# KiCad board antmicro-gmsl-deserializer-hw.kicad_pcb
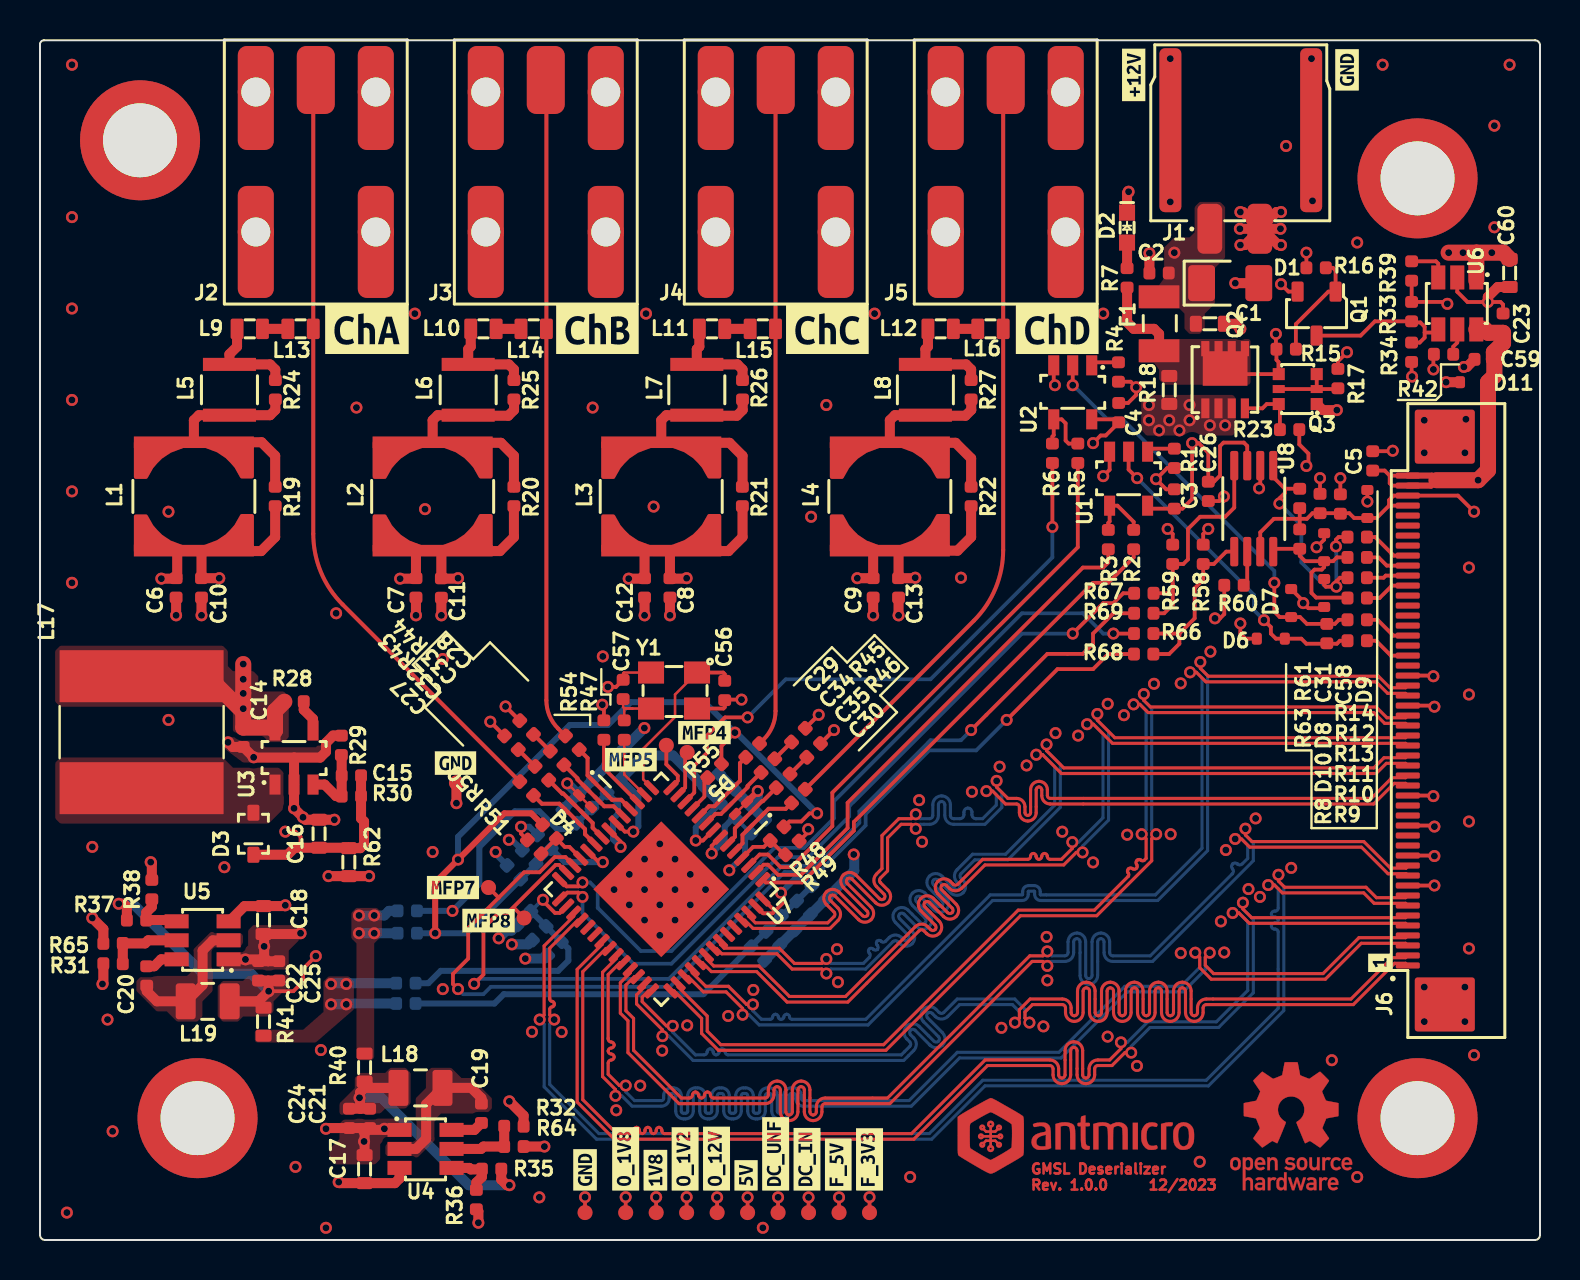
[diagram p0: board, top side]
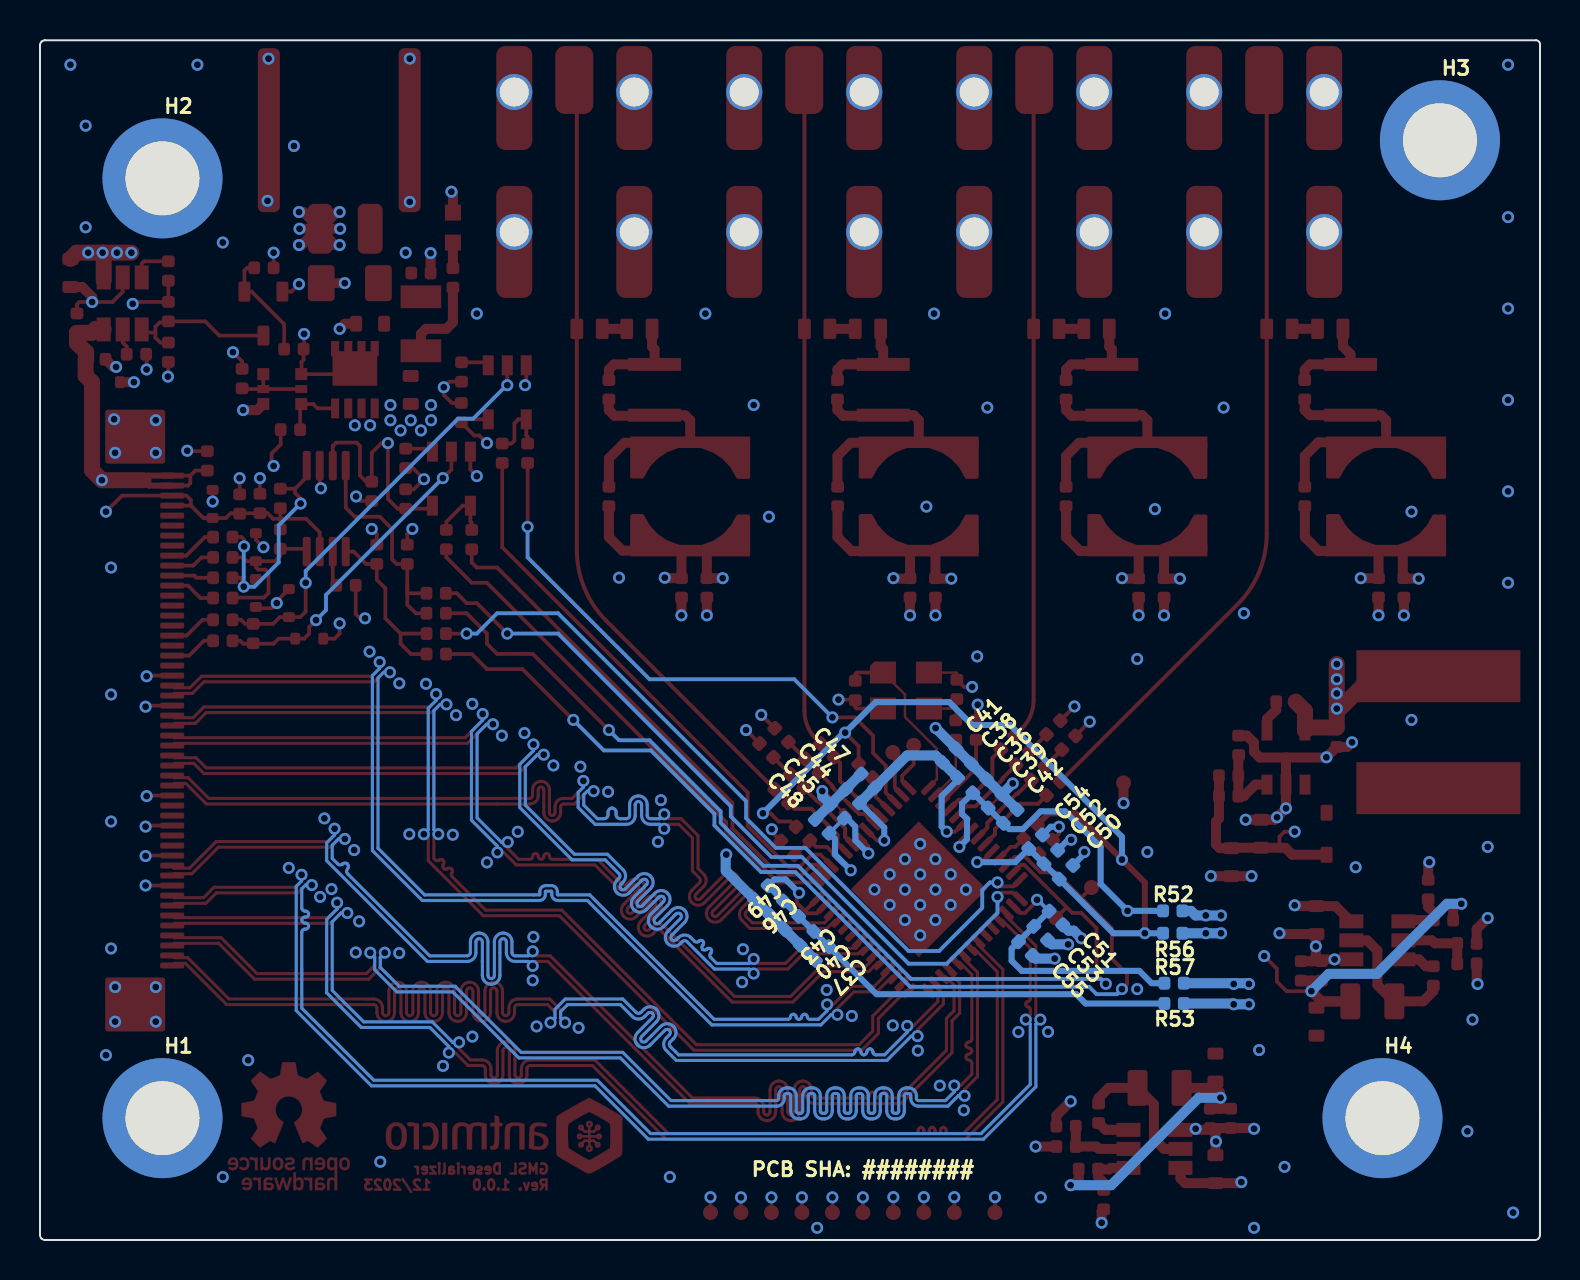
[diagram p1: board, bottom side, seen from below]

Outline 75 x 60 mm; copper layers: Top, In1.Cu (plane), In2.Cu (plane), Bottom. Coordinates in mm from the lower left corner of the outline.
Outline path: 0,59.8 arc(0.06,59.94) 0.2,60 74.75,60 arc(74.93,59.93) 75,59.75 75,0.25 arc(74.93,0.07) 74.75,0 0.25,0 arc(0.08,0.07) 0,0.25 0,59.8
Stack: Top 0.035mm / dielectric 0.474mm FR4 er 4.5 / In1.Cu 0.035mm / dielectric 0.474mm FR4 er 4.5 / In2.Cu 0.035mm / dielectric 0.474mm FR4 er 4.5 / Bottom 0.035mm

## Placement (name value [footprint] x y rotation side)
C1  C_10u_25V_0603  [C_0603_1608Metric]  58.49 45.82 180 top
C2  C_100n_0402  [C_0402_1005Metric]  55.95 48.36 0 top
C3  C_100n_0402  [C_0402_1005Metric]  56.72 37.06 270 top
C4  C_100n_0402  [C_0402_1005Metric]  53.94 41.38 270 top
C5  C_1u_0402  [C_0402_1005Metric]  66.64 38.96 270 top
C6  C_100n_0402  [C_0402_1005Metric]  6.81 32.61 90 top
C7  C_100n_0402  [C_0402_1005Metric]  18.8 32.61 90 top
C8  C_100n_0402  [C_0402_1005Metric]  31.5 32.61 90 top
C9  C_100n_0402  [C_0402_1005Metric]  41.66 32.61 90 top
C10  C_10n_0402  [C_0402_1005Metric]  8.08 32.61 90 top
C11  C_10n_0402  [C_0402_1005Metric]  20.07 32.61 90 top
C12  C_10n_0402  [C_0402_1005Metric]  30.23 32.61 90 top
C13  C_10n_0402  [C_0402_1005Metric]  42.93 32.61 90 top
C14  C_2u2_0402  [C_0402_1005Metric]  10.16 25.14 90 top
C15  C_220p_0402  [C_0402_1005Metric]  15.57 23.22 0 top
C16  C_10u_25V_0603  [C_0603_1608Metric]  13.95 20.32 270 top
C17  C_10u_25V_0603  [C_0603_1608Metric]  16.23 3.54 270 top
C18  C_10u_25V_0603  [C_0603_1608Metric]  11.18 16 90 top
C19  C_100n_0402  [C_0402_1005Metric]  22.07 6.34 90 top
C20  C_100n_0402  [C_0402_1005Metric]  5.34 13.21 270 top
C21  C_22u_0402  [C_0402_1005Metric]  16.48 6.08 90 top
C22  C_22u_0402  [C_0402_1005Metric]  10.92 13.46 270 top
C23  C_100n_0402  [C_0402_1005Metric]  73.15 45.85 270 top
C24  C_22u_0402  [C_0402_1005Metric]  15.47 6.08 90 top
C25  C_22u_0402  [C_0402_1005Metric]  11.94 13.46 270 top
C26  C_100n_0402  [C_0402_1005Metric]  58.41 37.44 90 top
C27  C_100n_0402  [C_0402_1005Metric]  24.33 22.58 135 top
C28  C_100n_0402  [C_0402_1005Metric]  26.62 24.87 135 top
C29  C_100n_0402  [C_0402_1005Metric]  35.63 24.49 45 top
C30  C_100n_0402  [C_0402_1005Metric]  37.92 22.2 45 top
C31  C_100n_0402  [C_0402_1005Metric]  64 36.83 270 top
C32  C_100n_0402  [C_0402_1005Metric]  25.09 23.34 135 top
C33  C_100n_0402  [C_0402_1005Metric]  25.86 24.11 135 top
C34  C_100n_0402  [C_0402_1005Metric]  36.4 23.72 45 top
C35  C_100n_0402  [C_0402_1005Metric]  37.16 22.96 45 top
C36  C_10u_0402  [C_0402_1005Metric]  28.01 22.71 315 bottom
C37  C_10u_0402  [C_0402_1005Metric]  35.89 14.33 135 bottom
C38  C_10u_0402  [C_0402_1005Metric]  28.78 23.47 315 bottom
C39  C_100n_0402  [C_0402_1005Metric]  27.25 21.95 315 bottom
C40  C_100n_0402  [C_0402_1005Metric]  36.65 15.09 135 bottom
C41  C_100n_0402  [C_0402_1005Metric]  29.54 24.23 315 bottom
C42  C_10n_0402  [C_0402_1005Metric]  26.49 21.18 315 bottom
C43  C_10n_0402  [C_0402_1005Metric]  37.41 15.85 135 bottom
C44  C_10u_0402  [C_0402_1005Metric]  34.36 22.2 225 bottom
C45  C_100n_0402  [C_0402_1005Metric]  35.13 21.44 225 bottom
C46  C_100n_0402  [C_0402_1005Metric]  38.17 16.61 135 bottom
C47  C_100n_0402  [C_0402_1005Metric]  33.6 22.96 225 bottom
C48  C_10n_0402  [C_0402_1005Metric]  35.89 20.69 225 bottom
C49  C_10n_0402  [C_0402_1005Metric]  38.94 17.37 135 bottom
C50  C_10n_0402  [C_0402_1005Metric]  23.7 18.39 315 bottom
C51  C_10n_0402  [C_0402_1005Metric]  24.2 16.1 45 bottom
C52  C_100n_0402  [C_0402_1005Metric]  24.46 19.15 315 bottom
C53  C_100n_0402  [C_0402_1005Metric]  24.97 15.35 45 bottom
C54  C_10u_0402  [C_0402_1005Metric]  25.22 19.91 315 bottom
C55  C_10u_0402  [C_0402_1005Metric]  25.73 14.58 45 bottom
C56  C_33p_0402  [C_0402_1005Metric]  34.24 27.48 90 top
C57  C_33p_0402  [C_0402_1005Metric]  29.16 27.53 270 top
C58  C_1u_0402  [C_0402_1005Metric]  65.02 36.81 270 top
C59  C_1u_0402  [C_0402_1005Metric]  72.21 44.04 0 top
C60  C_10u_25V_0603  [C_0603_1608Metric]  73.48 48.36 90 top
D1  SMF4L15A  [SOD-123FL]  59.51 47.85 0 top
D2  LED_G_0603_LTST-C190GKT  [LED_0603_1608Metric_G]  54.35 50.63 90 top
D3  PMEG3010CE_SOD323  [D_SOD-323F]  10.67 20.32 90 top
D4  PESD4USB5U-TTS  [DFN-10_2.5x1mm]  27.25 21.95 315 top
D5  PESD4USB5U-TTS  [DFN-10_2.5x1mm]  35.05 21.61 225 top
D6  ESD5B5_0ST1G  [SOD-523_NP]  61.54 30.07 0 top
D7  ESD5B5_0ST1G  [SOD-523_NP]  62.56 31.85 270 top
D8  ESD5B5_0ST1G  [SOD-523_NP]  64.21 34.65 270 top
D9  ESD5B5_0ST1G  [SOD-523_NP]  66.37 36.81 270 top
D10  ESD5B5_0ST1G  [SOD-523_NP]  64.21 32.36 90 top
D11  ESD5B5_0ST1G  [SOD-523_NP]  71.7 42.9 0 top
F1  F_4A_1206  [F_1206_3216Metric]  55.95 45.82 270 top
H1  -  [Spacer_Drill3.7mm_H6mm_9774060151R]  68.88 6.09 180 bottom
H2  -  [Spacer_Drill3.7mm_H6mm_9774060151R]  68.88 53.09 180 bottom
H3  -  [Spacer_Drill3.7mm_H6mm_9774060151R]  5 55 180 bottom
H4  -  [Spacer_Drill3.7mm_H6mm_9774060151R]  7.88 6.09 180 bottom
J1  Molex_Nano-Fit_1x2_SMD_1054301202  [Conn_Molex_Nano-Fit_1x2_SMD_1054301202]  60.02 55.47 180 top
J2  -  [Conn_FAKRA_59S2AQ-40MT5-Z_1]  13.79 58.01 0 top
J3  -  [Conn_FAKRA_59S2AQ-40MT5-Z_1]  25.29 58.01 0 top
J4  -  [Conn_FAKRA_59S2AQ-40MT5-Z_1]  36.79 58.01 0 top
J5  -  [Conn_FAKRA_59S2AQ-40MT5-Z_1]  48.29 58.01 0 top
J6  Conn_FFC_WE_68715014522  [Conn_FFC_WE_68715014x22]  70.54 25.98 90 top
kibuzzard-657AE3C2  G***  [kibuzzard-657AE3C2]  54.68 58.27 90 top
kibuzzard-657AE5B8  G***  [kibuzzard-657AE5B8]  29.28 4.06 90 top
kibuzzard-657AE5BD  G***  [kibuzzard-657AE5BD]  30.77 3.49 90 top
kibuzzard-657AE5C0  G***  [kibuzzard-657AE5C0]  27.25 3.51 90 top
kibuzzard-657AE5D0  G***  [kibuzzard-657AE5D0]  32.26 4.06 90 top
kibuzzard-657AE5D8  G***  [kibuzzard-657AE5D8]  33.83 4.07 90 top
kibuzzard-657AE5E6  G***  [kibuzzard-657AE5E6]  35.3 3.24 90 top
kibuzzard-657AE5F7  G***  [kibuzzard-657AE5F7]  38.35 4.04 90 top
kibuzzard-657AE5FA  G***  [kibuzzard-657AE5FA]  36.78 4.31 90 top
kibuzzard-657AE5FF  G***  [kibuzzard-657AE5FF]  39.91 3.78 90 top
kibuzzard-657AE63E  G***  [kibuzzard-657AE63E]  22.43 15.98 0 top
kibuzzard-657AE71B  G***  [kibuzzard-657AE71B]  33.22 25.38 0 top
kibuzzard-657AE72C  G***  [kibuzzard-657AE72C]  20.77 23.85 0 top
kibuzzard-657AE78B  G***  [kibuzzard-657AE78B]  27.87 45.56 0 top
kibuzzard-657AE81E  G***  [kibuzzard-657AE81E]  66.98 13.86 90 top
kibuzzard-657AE444  G***  [kibuzzard-657AE444]  65.35 58.52 90 top
kibuzzard-657AE604  G***  [kibuzzard-657AE604]  41.48 4.03 90 top
kibuzzard-657AE668  G***  [kibuzzard-657AE668]  20.65 17.63 0 top
kibuzzard-657AE675  G***  [kibuzzard-657AE675]  29.54 24.02 0 top
kibuzzard-657AE755  G***  [kibuzzard-657AE755]  16.35 45.56 0 top
kibuzzard-657AE782  G***  [kibuzzard-657AE782]  50.86 45.56 0 top
kibuzzard-657AE786  G***  [kibuzzard-657AE786]  39.37 45.56 0 top
L1  L_22u_1.12A_Coilcraft-MSS6132T  [L_Coilcraft-MSS6132T]  7.69 37.19 90 top
L2  L_22u_1.12A_Coilcraft-MSS6132T  [L_Coilcraft-MSS6132T]  19.63 37.19 90 top
L3  L_22u_1.12A_Coilcraft-MSS6132T  [L_Coilcraft-MSS6132T]  31.06 37.19 90 top
L4  L_22u_1.12A_Coilcraft-MSS6132T  [L_Coilcraft-MSS6132T]  42.49 37.19 90 top
L5  L_6u8_1A_Coilcraft-1210POC  [L_Coilcraft-1210POC]  9.47 42.52 90 top
L6  L_6u8_1A_Coilcraft-1210POC  [L_Coilcraft-1210POC]  21.41 42.52 90 top
L7  L_6u8_1A_Coilcraft-1210POC  [L_Coilcraft-1210POC]  32.84 42.52 90 top
L8  L_6u8_1A_Coilcraft-1210POC  [L_Coilcraft-1210POC]  44.27 42.52 90 top
L9  L_470n_1A_Coilcraft-PFL1609  [L_Coilcraft-PFL1609]  10.49 45.57 0 top
L10  L_470n_1A_Coilcraft-PFL1609  [L_Coilcraft-PFL1609]  22.17 45.57 0 top
L11  L_470n_1A_Coilcraft-PFL1609  [L_Coilcraft-PFL1609]  33.6 45.57 0 top
L12  L_470n_1A_Coilcraft-PFL1609  [L_Coilcraft-PFL1609]  45.03 45.57 0 top
L13  L_470n_1A_Coilcraft-PFL1609  [L_Coilcraft-PFL1609]  13.03 45.57 0 top
L14  L_470n_1A_Coilcraft-PFL1609  [L_Coilcraft-PFL1609]  24.68 45.57 0 top
L15  L_470n_1A_Coilcraft-PFL1609  [L_Coilcraft-PFL1609]  36.14 45.57 0 top
L16  L_470n_1A_Coilcraft-PFL1609  [L_Coilcraft-PFL1609]  47.52 45.57 0 top
L17  L_10u_3.1A_Bourns-SRN8040  [L_Bourns-SRN8040]  5.08 25.4 270 top
L18  L_1u_2.6A_0806  [L_0806_2016Metric]  19.02 7.61 180 top
L19  L_1u_2.6A_0806  [L_0806_2016Metric]  8.38 11.94 0 top
N1  oshw_logo  [oshw-logo]  62.56 5.69 0 top
N2  antmicro_logo  [antmicro-logo_scaled_12mm]  51.76 5.18 0 top
Q1  BSS138AKA  [SOT-23-3]  63.83 46.33 270 top
Q2  SQS401EN-T1_BE3  [Vishay_PowerPAK_1212-8_Single]  59.26 43.03 90 top
Q3  BCM857BS-7-F  [SOT-363]  62.89 42.56 180 top
R1  R_10k_0402  [R_0402_1005Metric]  56.72 39.09 90 top
R2  R_0R_0402  [R_0402_1005Metric]  54.68 35.03 90 top
R3  R_0R_0402  [R_0402_1005Metric]  53.41 35.03 90 top
R4  R_10k_0402  [R_0402_1005Metric]  53.92 43.41 90 top
R5  R_0R_0402  [R_0402_1005Metric]  51.89 39.35 90 top
R6  R_0R_0402  [R_0402_1005Metric]  50.62 39.35 90 top
R7  R_470R_0402  [R_0402_1005Metric]  54.35 48.12 270 top
R8  R_200R_0402  [R_0402_1005Metric]  64.34 30.33 270 top
R9  R_100R_0402  [R_0402_1005Metric]  65.86 29.97 0 top
R10  R_100R_0402  [R_0402_1005Metric]  65.86 31.02 0 top
R11  R_100R_0402  [R_0402_1005Metric]  65.86 32.11 0 top
R12  R_100R_0402  [R_0402_1005Metric]  65.86 34.14 0 top
R13  R_100R_0402  [R_0402_1005Metric]  65.86 33.12 0 top
R14  R_100R_0402  [R_0402_1005Metric]  65.86 35.15 0 top
R15  R_100R_0402  [R_0402_1005Metric]  62.31 44.55 180 top
R16  R_10k_0402  [R_0402_1005Metric]  63.8 48.62 0 top
R17  R_10k_0402  [R_0402_1005Metric]  64.89 43.08 270 top
R18  R_0R_22.4A_0603  [R_0603_1608Metric]  56.46 42.51 270 top
R19  R_5k1_0402  [R_0402_1005Metric]  11.76 37.19 90 top
R20  R_5k1_0402  [R_0402_1005Metric]  23.7 37.19 90 top
R21  R_5k1_0402  [R_0402_1005Metric]  35.12 37.19 90 top
R22  R_5k1_0402  [R_0402_1005Metric]  46.56 37.19 90 top
R23  R_10k_0402  [R_0402_1005Metric]  62.48 40.53 180 top
R24  R_5k1_0402  [R_0402_1005Metric]  11.77 42.52 90 top
R25  R_5k1_0402  [R_0402_1005Metric]  23.7 42.52 90 top
R26  R_5k1_0402  [R_0402_1005Metric]  35.13 42.52 90 top
R27  R_5k1_0402  [R_0402_1005Metric]  46.56 42.52 90 top
R28  R_0R_0402  [R_0402_1005Metric]  12.7 26.92 180 top
R29  R_13k7_0402  [R_0402_1005Metric]  15.07 24.74 270 top
R30  R_120k_0402  [R_0402_1005Metric]  15.57 22.2 0 top
R31  R_10k_0402  [R_0402_1005Metric]  3.65 13.82 180 top
R32  R_10k_0402  [R_0402_1005Metric]  23.7 5.69 0 top
R33  R_10k_0402  [R_0402_1005Metric]  68.58 46.43 90 top
R34  R_10k_0402  [R_0402_1005Metric]  68.58 44.4 90 top
R35  R_12k4_0402  [R_0402_1005Metric]  22.58 3.54 0 top
R36  R_10k_0402  [R_0402_1005Metric]  21.82 2.02 90 top
R37  R_4k99_0402  [R_0402_1005Metric]  4.83 16 180 top
R38  R_10k_0402  [R_0402_1005Metric]  5.59 17.52 270 top
R39  R_10k_0402  [R_0402_1005Metric]  68.58 48.46 270 top
R40  R_0R_22.4A_0603  [R_0603_1608Metric]  16.23 8.62 90 top
R41  R_0R_22.4A_0603  [R_0603_1608Metric]  11.18 10.92 270 top
R42  R_6k8_0402  [R_0402_1005Metric]  70.18 44.3 0 top
R43  R_49R9_0402  [R_0402_1005Metric]  23.57 24.87 135 top
R44  R_49R9_0402  [R_0402_1005Metric]  24.33 25.63 135 top
R45  R_49R9_0402  [R_0402_1005Metric]  37.92 25.25 45 top
R46  R_49R9_0402  [R_0402_1005Metric]  38.68 24.49 45 top
R47  R_0R_0402  [R_0402_1005Metric]  29.21 25.5 270 top
R48  R_80k6_0402  [R_0402_1005Metric]  36.85 20.32 45 top
R49  R_10k_0402  [R_0402_1005Metric]  37.62 19.61 225 top
R50  R_80k6_0402  [R_0402_1005Metric]  25.47 20.42 135 top
R51  R_10k_0402  [R_0402_1005Metric]  24.71 19.66 315 top
R52  R_0R_0402  [R_0402_1005Metric]  18.36 16.46 180 bottom
R53  R_0R_0402  [R_0402_1005Metric]  18.3 11.83 180 bottom
R54  R_402R_0402  [R_0402_1005Metric]  28.2 25.5 270 top
R55  R_10k_0402  [R_0402_1005Metric]  33.73 23.47 45 top
R56  R_0R_0402  [R_0402_1005Metric]  18.36 15.34 180 bottom
R57  R_0R_0402  [R_0402_1005Metric]  18.3 12.84 180 bottom
R58  R_2k2_0402  [R_0402_1005Metric]  58.16 34.29 90 top
R59  R_2k2_0402  [R_0402_1005Metric]  56.64 34.29 90 top
R60  R_10k_0402  [R_0402_1005Metric]  59.7 32.74 180 top
R61  R_2k2_0402  [R_0402_1005Metric]  62.99 37.09 270 top
R62  R_0R_22.4A_0603  [R_0603_1608Metric]  15.44 18.9 270 top
R63  R_2k2_0402  [R_0402_1005Metric]  62.99 35.05 90 top
R64  R_10k_0402  [R_0402_1005Metric]  23.7 4.67 180 top
R65  R_10k_0402  [R_0402_1005Metric]  3.65 14.83 0 top
R66  R_100R_0402  [R_0402_1005Metric]  55.19 30.33 0 top
R67  R_100R_0402  [R_0402_1005Metric]  55.19 32.34 0 top
R68  R_100R_0402  [R_0402_1005Metric]  55.18 29.31 0 top
R69  R_100R_0402  [R_0402_1005Metric]  55.19 31.34 0 top
TP1  TP_0.75mm_SMD  [TP_SMD_0.75mm]  32.36 24.38 0 top
TP2  TP_0.75mm_SMD  [TP_SMD_0.75mm]  31.32 24.74 0 top
TP3  TP_0.75mm_SMD  [TP_SMD_0.75mm]  22.43 17.63 0 top
TP4  TP_0.75mm_SMD  [TP_SMD_0.75mm]  24.2 16.1 0 top
TP5  TP_0.75mm_SMD  [TP_SMD_0.75mm]  20.82 22.86 0 top
TP6  TP_0.75mm_SMD  [TP_SMD_0.75mm]  36.9 1.37 0 top
TP7  TP_0.75mm_SMD  [TP_SMD_0.75mm]  39.95 1.37 0 top
TP8  TP_0.75mm_SMD  [TP_SMD_0.75mm]  41.48 1.37 0 top
TP9  TP_0.75mm_SMD  [TP_SMD_0.75mm]  38.43 1.37 0 top
TP10  TP_0.75mm_SMD  [TP_SMD_0.75mm]  30.81 1.37 0 top
TP11  TP_0.75mm_SMD  [TP_SMD_0.75mm]  35.38 1.37 0 top
TP12  TP_0.75mm_SMD  [TP_SMD_0.75mm]  33.86 1.37 0 top
TP13  TP_0.75mm_SMD  [TP_SMD_0.75mm]  29.28 1.37 0 top
TP14  TP_0.75mm_SMD  [TP_SMD_0.75mm]  32.33 1.37 0 top
TP15  TP_0.75mm_SMD  [TP_SMD_0.75mm]  27.25 1.37 0 top
U1  SN74LV1T125DBVR  [SOT-23-5]  54.43 38.08 270 top
U2  SN74LV1T125DBVR  [SOT-23-5]  51.64 42.39 270 top
U3  LMR62014XMF  [SOT-23-5]  12.7 24.13 90 top
U4  AP62301_TSOT  [TSOT23-6]  19.28 4.56 0 top
U5  AP62301_TSOT  [TSOT23-6]  8.13 14.98 180 top
U6  AP22615A_TSOT26  [TSOT23-6]  70.87 46.84 270 top
U7  MAX96724GTN_VY+  [QFN-56-1EP_8x8mm_P0.5mm_EP4.8x4.8mm]  31.06 17.54 225 top
U8  NTS0102_TSSOP  [TSSOP-8_3x3mm_P0.65mm]  60.7 36.58 270 top
Y1  Resonator_25MHz_ABM8G  [Oscillator_SMD_Geyer_KX-7-4Pin_3.2x2.5mm]  31.75 27.43 180 top

## Library data of the parts
C1 C60 = -: Author: Antmicro; License: Apache-2.0; MPN: C1608X5R1E106M080AC; Manufacturer: TDK; Val: 10u/25V; Field11: License: Apache-2.0; Field12: Author: Antmicro
C2 C23 C28 C39 = -: Author: Antmicro; Dielectric: X5R; License: Apache-2.0; MPN: GRM155R61H104KE14D; Manufacturer: Murata; Val: 100n; Voltage: 50V; Field11: License: Apache-2.0; Field13: Author: Antmicro
C3 C8 C9 C41 C46 C47 C53 = -: Author: Antmicro; Dielectric: X5R; License: Apache-2.0; MPN: GRM155R61H104KE14D; Manufacturer: Murata; Val: 100n; Voltage: 50V; Field12: License: Apache-2.0; Field13: Author: Antmicro
C4 C27 C29 C31 C33 C34 = -: Author: Antmicro; Dielectric: X5R; License: Apache-2.0; MPN: GRM155R61H104KE14D; Manufacturer: Murata; Val: 100n; Voltage: 50V; Field11: Author: Antmicro; Field13: License: Apache-2.0
C5 C59 = -: Author: Antmicro; License: Apache-2.0; MPN: C1005X6S1A105K050BC; Manufacturer: TDK; Val: 1u; Field11: License: Apache-2.0; Field13: Author: Antmicro
C6 C32 C35 C45 = -: Author: Antmicro; Dielectric: X5R; License: Apache-2.0; MPN: GRM155R61H104KE14D; Manufacturer: Murata; Val: 100n; Voltage: 50V; Field11: License: Apache-2.0; Field12: Author: Antmicro
C7 C19 C40 = -: Author: Antmicro; Dielectric: X5R; License: Apache-2.0; MPN: GRM155R61H104KE14D; Manufacturer: Murata; Val: 100n; Voltage: 50V; Field11: Author: Antmicro; Field12: License: Apache-2.0
C10 C12 C42 C43 C49 = -: Author: Antmicro; Dielectric: X7R; License: Apache-2.0; MPN: GRM155R71H103KA88D; Manufacturer: Murata; Val: 10n; Voltage: 50V; Field11: Author: Antmicro; Field12: License: Apache-2.0
C11 C48 = -: Author: Antmicro; Dielectric: X7R; License: Apache-2.0; MPN: GRM155R71H103KA88D; Manufacturer: Murata; Val: 10n; Voltage: 50V; Field11: License: Apache-2.0; Field12: Author: Antmicro
C13 = -: Author: Antmicro; Dielectric: X7R; License: Apache-2.0; MPN: GRM155R71H103KA88D; Manufacturer: Murata; Val: 10n; Voltage: 50V; Field12: Author: Antmicro; Field13: License: Apache-2.0
C14 = -: Author: Antmicro; License: Apache-2.0; MPN: C1005X5R1A225K050BC; Manufacturer: TDK; Val: 2u2; Field11: License: Apache-2.0; Field12: Author: Antmicro
C15 = -: Author: Antmicro; License: Apache-2.0; MPN: 04025C221JAT2A; Manufacturer: KYOCERA AVX; Val: 220p; Field11: License: Apache-2.0; Field12: Author: Antmicro
C16 = -: Author: Antmicro; License: Apache-2.0; MPN: C1608X5R1E106M080AC; Manufacturer: TDK; Val: 10u/25V; Field11: License: Apache-2.0; Field13: Author: Antmicro
C17 C18 = -: Author: Antmicro; License: Apache-2.0; MPN: C1608X5R1E106M080AC; Manufacturer: TDK; Val: 10u/25V; Field11: Author: Antmicro; Field12: License: Apache-2.0
C20 C26 C30 C52 = -: Author: Antmicro; Dielectric: X5R; License: Apache-2.0; MPN: GRM155R61H104KE14D; Manufacturer: Murata; Val: 100n; Voltage: 50V; Field12: Author: Antmicro; Field13: License: Apache-2.0
C21 C22 = -: Author: Antmicro; License: Apache-2.0; MPN: GRM158R60J226ME01D; Manufacturer: Murata; Val: 22u; Field11: Author: Antmicro; Field12: License: Apache-2.0
C24 C25 = -: Author: Antmicro; License: Apache-2.0; MPN: GRM158R60J226ME01D; Manufacturer: Murata; Val: 22u; Field12: Author: Antmicro; Field13: License: Apache-2.0
C36 C37 C55 = -: Author: Antmicro; License: Apache-2.0; MPN: CC0402MRX5R5BB106; Manufacturer: YAGEO; Val: 10u; Field12: License: Apache-2.0; Field13: Author: Antmicro
C38 = -: Author: Antmicro; License: Apache-2.0; MPN: CC0402MRX5R5BB106; Manufacturer: YAGEO; Val: 10u; Field11: Author: Antmicro; Field13: License: Apache-2.0
C44 = -: Author: Antmicro; License: Apache-2.0; MPN: CC0402MRX5R5BB106; Manufacturer: YAGEO; Val: 10u; Field12: Author: Antmicro; Field13: License: Apache-2.0
C50 = -: Author: Antmicro; Dielectric: X7R; License: Apache-2.0; MPN: GRM155R71H103KA88D; Manufacturer: Murata; Val: 10n; Voltage: 50V; Field11: License: Apache-2.0; Field13: Author: Antmicro
C51 = -: Author: Antmicro; Dielectric: X7R; License: Apache-2.0; MPN: GRM155R71H103KA88D; Manufacturer: Murata; Val: 10n; Voltage: 50V; Field11: Author: Antmicro; Field13: License: Apache-2.0
C54 = -: Author: Antmicro; License: Apache-2.0; MPN: CC0402MRX5R5BB106; Manufacturer: YAGEO; Val: 10u; Field11: License: Apache-2.0; Field12: Author: Antmicro
C56 = -: Author: Antmicro; License: Apache-2.0; MPN: 04025A330FAT2A; Manufacturer: KYOCERA AVX; Val: 33p; Field12: Author: Antmicro; Field13: License: Apache-2.0
C57 = -: Author: Antmicro; License: Apache-2.0; MPN: 04025A330FAT2A; Manufacturer: KYOCERA AVX; Val: 33p; Field12: License: Apache-2.0; Field13: Author: Antmicro
C58 = -: Author: Antmicro; License: Apache-2.0; MPN: C1005X6S1A105K050BC; Manufacturer: TDK; Val: 1u; Field11: License: Apache-2.0; Field12: Author: Antmicro
D1 = -: Author: Antmicro; License: Apache-2.0; Manufacturer: Infineon; Field8: License: Apache-2.0; Field10: Author: Antmicro
D2 = -: Author: Antmicro; License: Apache-2.0; MPN: LTST-C190GKT; Manufacturer: Lite-On; VSD_class: LED; Field9: Author: Antmicro; Field11: License: Apache-2.0
D3 = -: Author: Antmicro; License: Apache-2.0; MPN: PMEG3010CEJ; Manufacturer: Nexperia; Field8: License: Apache-2.0; Field9: Author: Antmicro
D4 = -: Author: Antmicro; License: Apache-2.0; Manufacturer: Nexperia; Field9: Author: Antmicro; Field10: License: Apache-2.0
D5 = -: Author: Antmicro; License: Apache-2.0; Manufacturer: Nexperia; Field8: Author: Antmicro; Field9: License: Apache-2.0
D6 D8 = -: Author: Antmicro; License: Apache-2.0; MPN: ESD5B5.0ST1G; Manufacturer: ON Semiconductor; Field8: License: Apache-2.0; Field9: Author: Antmicro
D7 D10 = -: Author: Antmicro; License: Apache-2.0; MPN: ESD5B5.0ST1G; Manufacturer: ON Semiconductor; Field9: Author: Antmicro; Field10: License: Apache-2.0
D9 D11 = -: Author: Antmicro; License: Apache-2.0; MPN: ESD5B5.0ST1G; Manufacturer: ON Semiconductor; Field8: License: Apache-2.0; Field10: Author: Antmicro
F1 = -: Author: Antmicro; License: Apache-2.0; MPN: 0466004.NR; Manufacturer: Littelfuse; Field9: Author: Antmicro; Field10: License: Apache-2.0
H1 = -: Author: Antmicro; License: Apache-2.0; MPN: 9774060151R; Manufacturer: Würth Elektronik; Field9: License: Apache-2.0; Field10: Author: Antmicro
H2 H3 = -: Author: Antmicro; License: Apache-2.0; MPN: 9774060151R; Manufacturer: Würth Elektronik; Field8: Author: Antmicro; Field9: License: Apache-2.0
H4 = -: Author: Antmicro; License: Apache-2.0; MPN: 9774060151R; Manufacturer: Würth Elektronik; Field8: Author: Antmicro; Field10: License: Apache-2.0
J1 = -: Author: Antmicro; License: Apache-2.0; MPN: 105430-1202; Manufacturer: Molex; Field8: License: Apache-2.0; Field9: Author: Antmicro
J2 = -: Author: Antmicro; License: Apache-2.0; MPN: 59S2AQ-40MT5-Z_1; Manufacturer: Rosenberger; Field9: License: Apache-2.0; Field10: Author: Antmicro
J3 J5 = -: Author: Antmicro; License: Apache-2.0; MPN: 59S2AQ-40MT5-Z_1; Manufacturer: Rosenberger; Field8: Author: Antmicro; Field10: License: Apache-2.0
J4 = -: Author: Antmicro; License: Apache-2.0; MPN: 59S2AQ-40MT5-Z_1; Manufacturer: Rosenberger; Field9: Author: Antmicro; Field10: License: Apache-2.0
J6 = -: Author: Antmicro; License: Apache-2.0; MPN: 68715014522; Manufacturer: Würth Elektronik; VSD_Class: Antmicro Dual Camera interface; Field10: Author: Antmicro; Field11: License: Apache-2.0
L1 = -: Author: Antmicro; IMax: 1.45A; ISat: 1.12A; License: Apache-2.0; MPN: MSS6132T-223; Manufacturer: Coilcraft; Size: 6.1x6.1; Val: 22u/1.12A; Field13: License: Apache-2.0; Field14: Author: Antmicro
L2 L3 = -: Author: Antmicro; IMax: 1.45A; ISat: 1.12A; License: Apache-2.0; MPN: MSS6132T-223; Manufacturer: Coilcraft; Size: 6.1x6.1; Val: 22u/1.12A; Field12: License: Apache-2.0; Field13: Author: Antmicro
L4 = -: Author: Antmicro; IMax: 1.45A; ISat: 1.12A; License: Apache-2.0; MPN: MSS6132T-223; Manufacturer: Coilcraft; Size: 6.1x6.1; Val: 22u/1.12A; Field12: License: Apache-2.0; Field14: Author: Antmicro
L5 L8 = -: Author: Antmicro; IMax: 1.36 A; ISat: 1 A; License: Apache-2.0; MPN: 1210POC-682; Manufacturer: Coilcraft; Size: 2.67x3.3; Val: 6u8/1A; Field13: Author: Antmicro; Field14: License: Apache-2.0
L6 = -: Author: Antmicro; IMax: 1.36 A; ISat: 1 A; License: Apache-2.0; MPN: 1210POC-682; Manufacturer: Coilcraft; Size: 2.67x3.3; Val: 6u8/1A; Field12: License: Apache-2.0; Field13: Author: Antmicro
L7 = -: Author: Antmicro; IMax: 1.36 A; ISat: 1 A; License: Apache-2.0; MPN: 1210POC-682; Manufacturer: Coilcraft; Size: 2.67x3.3; Val: 6u8/1A; Field12: Author: Antmicro; Field13: License: Apache-2.0
L9 L13 = -: Author: Antmicro; IMax: 1 A; ISat: 0.99 A; License: Apache-2.0; MPN: PFL1609-471; Manufacturer: Coilcraft; Size: 1.07x1.8; Val: 470n/0.99A; Field12: License: Apache-2.0; Field14: Author: Antmicro
L10 L11 = -: Author: Antmicro; IMax: 1 A; ISat: 0.99 A; License: Apache-2.0; MPN: PFL1609-471; Manufacturer: Coilcraft; Size: 1.07x1.8; Val: 470n/0.99A; Field13: Author: Antmicro; Field14: License: Apache-2.0